# KiCad board !HDMI2USB.kicad_pcb (continued)
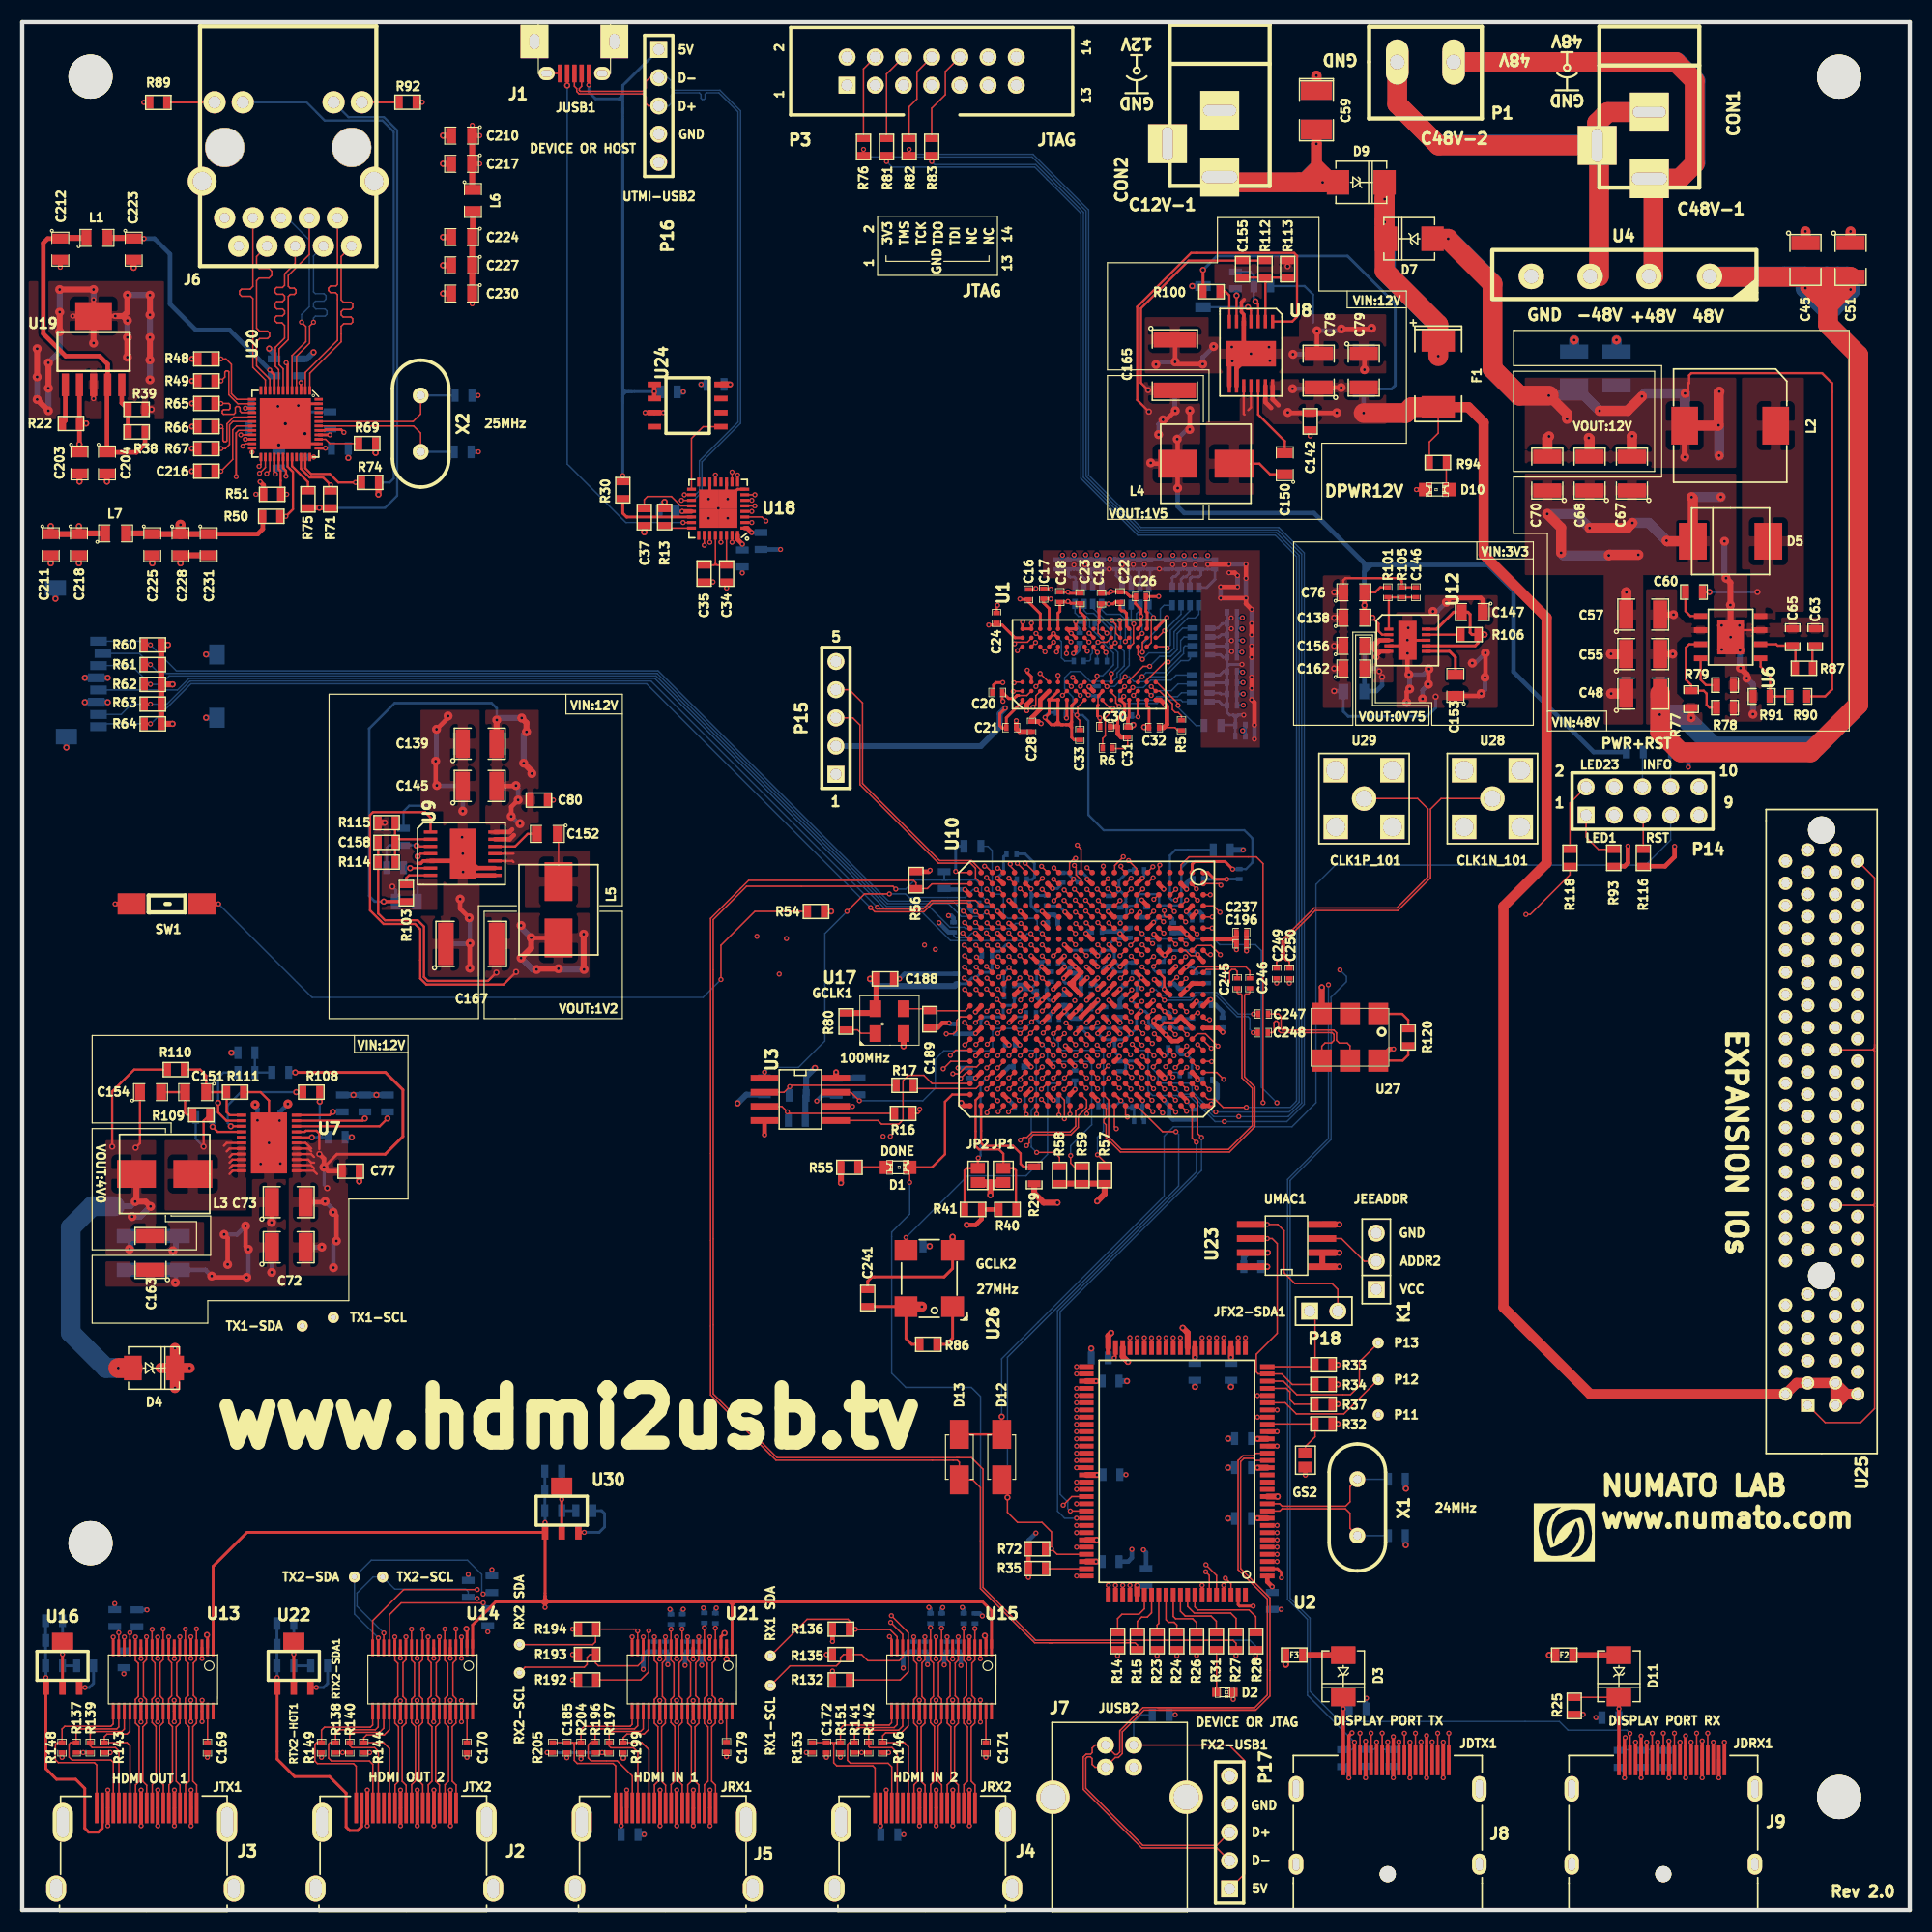
[diagram p0: board, top side]
## Routing (per net, layer and track width the routed paths; a pad name or vN(x,y) marks a point on that pad's centre or on a via; arc(x,y) is an arc through that point) (continued)
/FPGA_Bank_1_2/CY_CTL1: length 38.3
  TOP w0.127: U10.P16 v1(93.87,78.92) ; U2.55 94.96,46.32
  SIGNAL4-Y w0.127: v1(93.87,78.92) 93.39,78.44 92.67,78.44 92.37,78.14 92.37,76.65 92.13,76.4 91.7,76.4 91.31,76.01 91.31,72.76 92.06,72 92.06,64.82 91.83,64.59 91.83,48.32 93.83,46.32 v1(94.96,46.32)
/FPGA_Bank_1_2/CY_CTL2: length 38.7
  TOP w0.127: U2.56 94.96,45.67 ; 92.36,79.38 v1(91.95,78.96)
  SIGNAL4-Y w0.127: v1(91.95,78.96) 91.42,78.44 91.42,76.6 91.25,76.42 90.73,76.42 90.46,76.15 90.46,72.51 90.81,72.16 91.56,72.16 91.83,71.9 91.83,64.92 91.59,64.68 91.59,48.19 94.12,45.67 v1(94.96,45.67)
/FPGA_Bank_1_2/CY_CTL3: length 32.8
  TOP w0.127: U10.M18 v1(95.78,76) ; U2.51 94.96,48.92
  SIGNAL4-Y w0.127: v1(95.78,76) 95.78,75.41 95.39,75.02 95.39,72.46 94.88,71.94 94.88,66.31 92.75,64.19 92.75,49.29 93.12,48.92 v1(94.96,48.92) 93.91,48.92
/FPGA_Bank_1_2/CY_CTL4: length 34.5
  TOP w0.127: U2.52 94.96,48.27 ; U10.M17 v1(94.86,76.91)
  SIGNAL4-Y w0.127: v1(94.86,76.91) 94.41,76.46 93.58,76.46 93.36,76.24 93.36,72.38 92.8,71.82 92.8,64.58 92.52,64.3 92.52,48.97 93.22,48.27 v1(94.96,48.27) 94.21,48.27
/FPGA_Bank_1_2/CY_CTL5: length 52
  TOP w0.127: U2.76 v1(94.96,32.67) ; U10.R16 v1(92.86,77.91)
  SIGNAL2-Y w0.127: v1(94.96,32.66) 91.24,36.38 91.24,56.52 95.31,60.58 95.31,77.11 95.02,77.39 93.39,77.39 v1(92.86,77.91)
/FPGA_Bank_1_2/CY_FD0: length 62.3
  TOP w0.127: U2.34 v1(108.21,51.52) ; U10.C20 104.86,73.92
  SIGNAL3-X w0.127: v1(104.86,73.92) 105.29,73.48 105.29,68.18 105.81,67.67 110.76,67.67 111.3,67.13 111.3,57.49 111.46,57.34 113.17,57.34 113.32,57.18 113.32,56.95 113.15,56.78 111.46,56.78 111.3,56.62 111.3,56.35 111.48,56.18 113.18,56.18 113.33,56.03 113.33,55.74 113.16,55.57 111.42,55.57 111.3,55.45 111.3,55.23 111.43,55.11 113.19,55.11 113.33,54.96 113.33,54.72 113.18,54.57 108.79,54.57 108.63,54.41 108.63,54.17 108.79,54.02 113.16,54.02 113.34,53.84 113.34,53.6 113.17,53.44 108.4,53.44 108.24,53.28 108.24,52.99 108.4,52.83 113.16,52.83 113.34,52.66 113.34,52.32 113.17,52.16 108.85,52.16 v1(108.21,51.52)
/FPGA_Bank_1_2/CY_FD1: length 62.3
  TOP w0.127: U2.35 v1(107.56,51.52) ; U10.C22 v1(104.86,71.92)
  SIGNAL3-X w0.127: v1(104.86,71.92) 104.86,68.29 105.71,67.44 110.66,67.44 111.07,67.03 111.07,61.41 110.86,61.2 108.96,61.2 108.79,61.03 108.79,60.74 108.94,60.58 110.9,60.58 111.06,60.42 111.06,60.15 110.91,60 107.68,60 107.56,59.89 107.56,59.68 107.69,59.56 110.88,59.56 111.05,59.39 111.05,59.17 110.9,59.02 107.73,59.02 107.56,58.85 107.56,58.63 107.71,58.48 110.85,58.48 111.05,58.28 111.05,58.06 110.87,57.88 107.77,57.88 107.56,57.67 107.56,57.44 107.76,57.24 110.86,57.24 111.04,57.06 111.04,56.82 110.87,56.64 107.77,56.64 107.56,56.44 107.56,56.22 107.77,56.01 110.85,56.01 111.04,55.81 111.04,55.54 110.87,55.37 107.79,55.37 107.56,55.15 107.56,54.92 107.79,54.7 108.21,54.7 108.38,54.53 108.38,54.31 108.2,54.13 107.78,54.13 107.56,53.91 v1(107.56,51.52)
/FPGA_Bank_1_2/CY_FD2: length 62.3
  TOP w0.127: U10.L15 96.85,79.9 ; U2.36 v1(106.91,51.52)
  SIGNAL3-X w0.127: v1(106.91,51.52) 106.91,60.4 107.1,60.58 108.31,60.58 108.45,60.72 108.45,61.05 108.3,61.2 107.11,61.2 106.91,61.4 106.91,61.64 107.12,61.85 110.66,61.85 110.81,62 110.81,62.23 110.65,62.39 107.11,62.39 106.91,62.58 106.91,62.8 107.1,62.99 110.64,62.99 110.81,63.16 110.81,63.42 110.63,63.6 107.41,63.6 107.26,63.75 107.26,63.94 107.42,64.1 110.61,64.1 110.84,64.33 110.84,66.89 110.53,67.21 105.62,67.21 104.43,68.39 104.43,75.12 104.11,75.44 101.63,75.44 101.37,75.7 101.37,77.03 100.96,77.44 99.59,77.44 99.36,77.66 99.36,79.05 98.98,79.43 97.73,79.43 97.25,79.91 v1(96.85,79.91)
/FPGA_Bank_1_2/CY_FD3: length 62.3
  TOP w0.127: U10.K16 v1(97.87,78.92) ; U2.37 v1(106.26,51.52)
  SIGNAL3-X w0.127: v1(97.87,78.92) 98.17,78.92 98.35,78.74 98.35,76.7 98.6,76.44 100.12,76.44 100.38,76.19 100.38,75.78 100.73,75.43 101.03,75.43 101.35,75.11 101.35,74.76 101.64,74.48 102.98,74.48 103.33,74.13 103.33,69.16 105.52,66.98 110.43,66.98 110.56,66.85 110.56,66.64 110.43,66.52 106.19,66.52 106.06,66.39 106.06,66.2 106.19,66.07 110.47,66.07 110.61,65.93 110.61,65.7 110.47,65.57 106.22,65.57 106.07,65.41 106.07,65.23 106.22,65.08 110.49,65.08 110.61,64.96 110.61,64.77 110.48,64.64 106.24,64.64 106.07,64.47 106.07,64.28 106.24,64.11 106.86,64.11 106.96,64.01 106.96,63.74 106.85,63.63 106.41,63.63 106.26,63.48 v1(106.26,51.52)
/FPGA_Bank_1_2/CY_FD4: length 62.3
  TOP w0.127: U2.44 101.71,51.51 ; U10.D21 103.86,72.92
  SIGNAL1-X w0.127: 104.38,72.4 104.38,71.45 ; 104.38,72.4 104.38,71.11 105.04,70.44 106.63,70.44 107.21,69.87 107.21,57.32 107.08,57.19 106.69,57.19 106.58,57.07 106.58,56.91 106.69,56.8 107.13,56.8 107.26,56.67 107.26,56.45 107.12,56.31 102.3,56.31 102.15,56.16 102.15,55.95 102.3,55.81 107.14,55.81 107.27,55.67 107.27,55.44 107.12,55.3 102.27,55.3 102.14,55.17 102.14,54.99 102.28,54.85 107.12,54.85 107.27,54.7 107.27,54.5 107.12,54.35 102.26,54.35 102.12,54.21 102.12,54.04 102.26,53.9 107.12,53.9 107.27,53.75 107.27,53.55 107.12,53.39 102.06,53.39 101.71,53.04 v1(101.71,51.52) ; 104.38,72.4 v1(103.86,72.92)
/FPGA_Bank_1_2/CY_FD5: length 62.3
  TOP w0.127: U2.45 101.06,51.51
  TOP w0.203: 103.37,72.36 v1(103.89,71.84)
  SIGNAL1-X w0.127: v1(101.06,51.52) 101.06,55.44 102.15,56.54 104.88,56.54 105.02,56.68 105.02,56.87 104.88,57.01 102.33,57.01 102.19,57.15 102.19,57.37 102.35,57.52 106.82,57.52 106.98,57.67 106.98,57.87 106.82,58.03 102.32,58.03 102.19,58.16 102.19,58.37 102.32,58.5 106.84,58.5 106.98,58.63 106.98,58.88 106.85,59 102.36,59 102.22,59.14 102.22,59.42 102.36,59.56 106.83,59.56 106.98,59.71 106.98,59.92 106.83,60.06 102.42,60.06 102.29,60.2 102.29,60.38 102.42,60.51 106.86,60.51 106.98,60.63 106.98,69.77 106.54,70.21 104.82,70.21 104.14,70.9 104.14,71.59 v1(103.89,71.84)
/FPGA_Bank_1_2/CY_FD6: length 62.3
  TOP w0.127: U2.46 100.41,51.51 ; 100.38,75.41 v1(100.85,74.94)
  SIGNAL1-X w0.127: v1(100.85,74.94) 101.37,74.42 103.01,74.42 103.32,74.1 103.32,68.95 103.71,68.56 106.46,68.56 106.75,68.28 106.75,65 106.6,64.85 105.52,64.85 105.35,64.68 105.35,64.49 105.51,64.33 106.55,64.33 106.69,64.19 106.69,63.93 106.55,63.78 102.54,63.78 102.4,63.65 102.4,63.45 102.55,63.3 106.57,63.3 106.7,63.17 106.7,62.89 106.57,62.75 102.55,62.75 102.4,62.6 102.4,62.39 102.55,62.24 106.55,62.24 106.68,62.12 106.68,61.88 106.57,61.77 102.52,61.77 102.37,61.62 102.37,61.4 102.52,61.25 106.55,61.25 106.67,61.13 106.67,60.9 106.54,60.76 102.19,60.76 101.75,60.32 101.75,56.86 100.41,55.52 v1(100.41,51.52)
/FPGA_Bank_1_2/CY_FD7: length 62.4
  TOP w0.127: v1(101.89,73.94) 101.42,74.41 U10.F20 ; U2.47 99.76,51.52
  SIGNAL1-X w0.127: v1(99.76,51.53) 99.76,55.55 101.35,57.15 101.35,60.35 102.07,61.07 102.07,63.84 102.38,64.15 103.16,64.15 103.32,64.31 103.32,64.55 103.17,64.7 101.87,64.7 101.71,64.86 101.71,65.05 101.87,65.22 106.35,65.22 106.5,65.37 106.5,65.58 106.35,65.72 101.88,65.72 101.7,65.91 101.7,66.13 101.87,66.3 106.36,66.3 106.51,66.46 106.51,66.72 106.37,66.86 101.83,66.86 101.67,67.02 101.67,67.29 101.83,67.45 106.36,67.45 106.51,67.6 106.51,67.85 106.37,67.99 101.79,67.99 101.63,68.15 101.63,68.33 101.79,68.48 102.96,68.48 103.09,68.62 103.09,68.84 102.95,68.98 101.79,68.98 101.67,69.11 101.67,69.31 101.81,69.45 102.94,69.45 103.09,69.6 103.09,69.82 102.95,69.96 101.83,69.96 101.67,70.11 101.67,70.36 101.83,70.52 102.95,70.52 103.09,70.65 103.09,70.96 102.95,71.11 102.44,71.11 102.28,71.26 102.28,73.55 v1(101.89,73.94)
/FPGA_Bank_1_2/CY_FD8: length 62.3
  TOP w0.127: 99.36,76.4 v1(99.87,75.89) ; U2.80 94.96,30.07
  SIGNAL3-X w0.127: v1(99.87,75.89) 99.87,75.48 99.42,75.03 99.42,72.3 101.62,70.1 101.62,65.79 102.57,64.84 102.57,59.84 102.95,59.46 104.88,59.46 105.01,59.33 105.01,59.07 104.88,58.94 102.71,58.94 102.57,58.8 102.57,58.6 102.71,58.46 104.88,58.46 105.01,58.33 105.01,58.11 104.89,57.99 104.42,57.99 104.32,57.88 104.32,57.68 104.42,57.57 104.89,57.57 105.01,57.45 105.01,50.93 97.94,43.86 97.94,30.64 97.37,30.07 v1(94.96,30.07)
/FPGA_Bank_1_2/CY_FD9: length 62.4
  TOP w0.127: v1(99.92,74.96) 99.47,75.41 U10.H19 ; U2.81 v1(97.81,29.22)
  SIGNAL3-X w0.127: v1(99.92,74.96) 100.39,74.49 100.39,71.65 101.85,70.2 101.85,65.89 102.8,64.94 102.8,62.41 103.2,62.01 105.06,62.01 105.24,61.83 105.24,61.56 105.07,61.38 103.05,61.38 102.91,61.25 102.91,60.95 103.05,60.82 105.12,60.82 105.24,60.69 105.24,60.38 105.11,60.25 103.03,60.25 102.91,60.12 102.91,59.86 103.05,59.72 105.08,59.72 105.24,59.56 105.24,50.83 98.18,43.77 98.18,29.58 v1(97.81,29.22)
/FPGA_Bank_1_2/CY_FD10: length 62.4
  TOP w0.127: v1(101.75,72.91) 101.36,73.29 101.36,73.42 ; U2.82 98.46,29.22
  SIGNAL3-X w0.127: v1(101.75,72.91) 101.75,72.41 101.39,72.05 101.39,71.51 102.08,70.83 102.08,67.95 102.34,67.69 103.21,67.69 103.35,67.55 103.35,67.38 103.22,67.25 102.34,67.25 102.2,67.11 102.2,66.9 102.35,66.75 104.48,66.75 104.6,66.63 104.6,66.45 104.5,66.34 102.32,66.34 102.2,66.22 102.2,65.98 102.32,65.86 105.25,65.86 105.4,65.72 105.4,65.53 105.26,65.39 103.32,65.39 103.03,65.11 103.03,62.51 103.28,62.26 105.14,62.26 105.47,61.92 105.47,50.74 98.46,43.73 v1(98.46,29.22)
/FPGA_Bank_1_2/CY_FD11: length 62.3
  TOP w0.127: U10.F22 101.36,72.34 101.82,71.88 ; U2.83 v1(99.11,29.22)
  SIGNAL3-X w0.127: v1(99.11,29.22) 98.69,29.64 98.69,43.63 105.7,50.64 105.7,62.18 105.4,62.49 103.41,62.49 103.28,62.62 103.28,62.93 103.41,63.05 105.56,63.05 105.7,63.19 105.7,63.45 105.57,63.59 103.42,63.59 103.29,63.73 103.29,63.99 103.41,64.11 105.55,64.11 105.7,64.26 105.7,64.47 105.54,64.63 103.4,64.63 103.28,64.75 103.28,65.02 103.41,65.15 105.42,65.15 105.7,65.43 105.7,66.12 102.31,69.51 102.31,71.38 v1(101.82,71.87)
/FPGA_Bank_1_2/CY_FD12: length 62.3
  TOP w0.127: v1(106.59,30.44) 106.91,30.12 U2.95 ; 102.39,74.41 v1(102.89,73.92)
  SIGNAL2-Y w0.127: v1(102.89,73.92) 103.33,73.47 103.33,72.63 103.08,72.38 102.6,72.38 102.28,72.07 102.28,62.95 98.78,59.45 98.78,31.77 98.66,31.65 98.5,31.65 98.38,31.77 98.38,33.99 98.26,34.11 98.07,34.11 97.95,33.99 97.95,31.48 98.79,30.64 105.96,30.64 106.16,30.44 v1(106.59,30.44)
/FPGA_Bank_1_2/CY_FD13: length 62.3
  TOP w0.127: v1(106.61,31.07) 107.56,30.12 U2.96 ; v1(102.7,71.77) 102.36,72.11 U10.E22
  SIGNAL2-Y w0.127: v1(106.61,31.07) 106.17,31.07 105.97,30.87 99.09,30.87 98.98,30.99 98.98,31.2 99.11,31.33 103.2,31.33 103.37,31.5 103.37,31.7 103.18,31.89 99.22,31.89 99.01,32.09 99.01,59.36 102.7,63.05 v1(102.7,71.77)
/FPGA_Bank_1_2/CY_FD14: length 62.3
  TOP w0.127: v1(98.77,74.92) 98.77,75.01 U10.J19 ; U2.97 108.21,29.22
  SIGNAL2-Y w0.127: v1(108.21,29.22) 107.79,29.64 97.19,29.64 95.83,31 95.83,35.06 92.78,38.12 92.78,56.12 97.9,61.24 97.9,73.73 98.77,74.6 v1(98.77,74.92)
/FPGA_Bank_1_2/CY_FD15: length 62.3
  TOP w0.127: v1(108.36,29.86) 108.86,29.36 U2.98 ; U10.H20 99.85,73.93
  SIGNAL2-Y w0.127: 108.35,29.87 97.29,29.87 96.07,31.09 96.07,36.09 93.51,38.65 93.51,55.83 100.58,62.9 100.58,71.99 100.3,72.27 100.3,73.48 v1(99.85,73.92)
/FPGA_Bank_1_2/CY_INT5: length 57.1
  TOP w0.127: U10.T19 v1(91.86,75.91) ; U2.84 v1(99.76,29.22)
  SIGNAL2-Y w0.127: 92.2,75.91 v1(91.86,75.91) 92.2,75.91 ; 92.2,75.91 92.43,75.68 92.43,58.16 90.88,56.61 90.88,33.01 95.25,28.64 99.63,28.64 99.76,28.77 v1(99.76,29.22)
/FPGA_Bank_1_2/CY_PA0: length 44.8
  TOP w0.127: 101.34,76.42 v1(100.89,76.86) ; U2.67 94.96,38.52
  SIGNAL2-Y w0.127: v1(94.96,38.52) 93.99,39.49 93.99,55.66 101.04,62.71 101.04,71.77 101.66,72.39 102.02,72.39 102.38,72.75 102.38,75.1 102.08,75.4 101.66,75.4 101.37,75.69 101.37,76.38 v1(100.89,76.86)
/FPGA_Bank_1_2/CY_PA1: length 42.5
  TOP w0.127: U2.68 94.96,37.87
  TOP w0.203: 101.36,75.41 v1(101.85,74.92)
  SIGNAL2-Y w0.127: 93.76,55.75 93.76,39.07 v1(94.96,37.87) ; 93.76,55.75 100.81,62.81 100.81,71.88 101.35,72.43 101.35,74.08 101.85,74.58 v1(101.85,74.92)
/FPGA_Bank_1_2/CY_PA2: length 48.1
  TOP w0.127: v1(98.89,77.88) 99.29,78.29 ; v1(93.75,36.44) 94.53,37.22 U2.69
  SIGNAL2-Y w0.127: v1(93.75,36.44) 93.27,36.44 92.55,37.17 92.55,56.25 97.67,61.37 97.67,73.89 98.27,74.49 98.27,75.39 99.24,76.36 99.24,77.11 98.89,77.47 v1(98.89,77.88)
/FPGA_Bank_1_2/CY_PA3: length 46.2
  TOP w0.127: 99.39,77.42 v1(99.82,77) ; U2.70 94.96,36.57
  SIGNAL2-Y w0.127: v1(99.82,77) 99.82,76.41 99.38,75.97 99.38,72.8 100.35,71.83 100.35,63.22 93.19,56.06 93.19,38.34 v1(94.96,36.57)
/FPGA_Bank_1_2/CY_PA4: length 45
  TOP w0.127: U10.B21 105.86,72.92 105.86,69.91 v1(106.21,69.56) ; U2.71 94.39,35.92
  BOTTOM w0.127: v1(106.21,69.56) 106.21,66.59 93.47,53.85 93.47,37.42 94.16,36.74 94.16,36.14 v1(94.39,35.92)
/FPGA_Bank_1_2/CY_PA5: length 44.7
  TOP w0.127: v1(105.75,69.13) 105.36,69.51 U10.B22 ; v1(94.96,35.27) U2.72
  BOTTOM w0.127: 105.75,66.45 93.24,53.95 93.24,35.9 93.88,35.27 v1(94.96,35.27) ; v1(105.75,69.13) 105.75,66.45
/FPGA_Bank_1_2/CY_PA6: length 49.2
  TOP w0.127: U10.J16 97.86,77.91 ; U2.73 94.96,34.62
  SIGNAL2-Y w0.127: v1(94.96,34.62) 94.15,34.62 92.32,36.45 92.32,56.34 95.77,59.8 95.77,69.06 97.37,70.66 97.37,75 98.38,76.02 98.38,76.95 97.86,77.48 v1(97.86,77.9)
/FPGA_Bank_1_2/CY_PA7: length 48.8
  TOP w0.127: 98.36,77.42 v1(97.86,76.92) ; U2.74 94.96,33.97
  SIGNAL2-Y w0.127: v1(97.86,76.92) 97.36,76.42 96.7,76.42 96.35,76.08 96.35,70 95.54,69.18 95.54,59.89 92.08,56.44 92.08,36.35 94.47,33.97 v1(94.96,33.97)
/FPGA_Bank_1_2/CY_PC0: length 32.9
  TOP w0.127: 90.37,74.38 v1(89.87,73.89) ; U2.57 94.96,45.02
  SIGNAL4-Y w0.127: v1(89.87,73.89) 89.87,73.4 90.21,73.06 90.21,72.43 90.95,71.69 90.95,65.47 91.36,65.06 91.36,48.1 94.44,45.02 v1(94.96,45.02)
/FPGA_Bank_1_2/CY_PC1: length 31.9
  TOP w0.127: v1(90.43,71.63) 90.37,71.69 U10.U22 ; U2.58 94.96,44.37
  SIGNAL4-Y w0.127: v1(90.43,71.63) 89.41,70.61 89.41,66.69 91.13,64.96 91.13,47.8 94.56,44.37 v1(94.96,44.37)
/FPGA_Bank_1_2/CY_PC2: length 33.9
  TOP w0.127: U2.59 94.96,43.72 ; 89.36,73.42 89.36,73.33 v1(89.8,72.9)
  SIGNAL4-Y w0.127: v1(89.8,72.9) 89.8,71.93 89.17,71.31 89.17,66.59 90.9,64.87 90.9,47.01 94.19,43.72 v1(94.96,43.72)
/FPGA_Bank_1_2/CY_PC3: length 33.7
  TOP w0.127: U2.60 94.96,43.07 ; 89.36,72.38 v1(88.83,71.85)
  SIGNAL4-Y w0.127: 90.67,52.13 90.67,46.51 94.1,43.07 v1(94.96,43.07) ; 90.67,52.13 90.67,52.14 ; 90.67,52.13 90.67,64.77 88.55,66.89 88.55,71.57 v1(88.83,71.85)
/FPGA_Bank_1_2/CY_PC4: length 36.6
  TOP w0.127: U2.61 94.96,42.42 ; U10.W20 87.88,73.93 v1(87.88,73.91)
  SIGNAL4-Y w0.127: v1(87.88,73.91) 87.88,73.43 88.32,72.99 88.32,66.8 90.43,64.68 90.43,45.95 93.97,42.42 v1(94.96,42.42)
/FPGA_Bank_1_2/CY_PC5: length 35.6
  TOP w0.127: U2.62 94.96,41.77 ; v1(87.9,71.87) 88.36,72.33 U10.W22
  SIGNAL4-Y w0.127: v1(87.9,71.87) 87.63,71.6 87.63,67.15 90.2,64.58 90.2,45.33 93.77,41.77 v1(94.96,41.77)
/FPGA_Bank_1_2/CY_PC6: length 37.6
  TOP w0.127: U2.63 94.96,41.12 ; v1(87.86,72.86) 87.37,73.36 87.37,73.42
  SIGNAL4-Y w0.127: v1(87.86,72.86) 87.4,72.41 87.4,67.06 89.97,64.49 89.97,44.55 93.41,41.12 v1(94.96,41.12)
/FPGA_Bank_1_2/CY_PC7: length 37.2
  TOP w0.127: U10.Y22 86.89,71.93 v1(86.89,71.78) ; U2.64 94.96,40.47
  SIGNAL4-Y w0.127: v1(86.89,71.78) 86.89,67.24 89.74,64.39 89.74,44.28 93.56,40.47 v1(94.96,40.47)
/FPGA_Bank_1_2/CY_RD: length 42.5
  TOP w0.127: v1(97.81,76.01) 97.36,75.56 U10.K19 ; U2.31 v1(110.16,51.52)
  SIGNAL4-Y w0.127: v1(97.81,76.01) 97.36,75.56 97.36,65.25 95.03,62.92 95.03,54.31 99.07,50.26 103.48,50.26 104.01,50.79 108.69,50.79 109.08,51.18 109.08,51.71 109.3,51.93 109.75,51.93 v1(110.16,51.52)
/FPGA_Bank_1_2/CY_RD0: length 86.5
  TOP w0.127: U2.3 113.01,31.37 ; U10.P19 v1(92.86,74.92)
  SIGNAL2-Y w0.127: v1(92.86,74.92) 93.41,75.46 93.41,76.24 93.19,76.45 90.38,76.45 89.36,75.44 88.61,75.44 88.34,75.17 88.34,68.28 89.96,66.66 89.96,32.62 94.86,27.72 109.89,27.72 112.1,29.93 112.1,30.1 111.99,30.21 110.53,30.21 110.43,30.31 110.43,30.46 110.54,30.57 112.39,30.57 112.51,30.69 112.51,30.85 112.38,30.98 110.54,30.98 110.43,31.09 110.43,31.25 110.54,31.36 v1(113.01,31.36)
/FPGA_Bank_1_2/CY_RD1: length 86.5
  TOP w0.127: 92.36,75.4 v1(91.87,74.9) ; U2.4 113.02,32.02
  SIGNAL2-Y w0.127: 110.19,28.34 110.19,28.35 ; 110.19,28.34 109.79,27.95 94.96,27.95 90.19,32.72 90.19,66.76 89.31,67.64 89.31,69.88 89.15,70.05 88.7,70.05 88.57,70.17 88.57,70.33 88.7,70.46 89.13,70.46 89.31,70.65 89.31,74.84 89.93,75.45 90.94,75.45 91.49,74.9 v1(91.87,74.9) ; 110.19,28.34 110.19,29.38 110.32,29.52 111.33,29.52 111.45,29.64 111.45,29.81 111.33,29.94 110.32,29.94 110.19,30.08 110.19,31.28 110.04,31.42 109.82,31.42 109.69,31.29 109.69,28.6 109.54,28.46 109.37,28.46 109.24,28.59 109.24,31.82 109.43,32.01 v1(113.02,32.01)
/FPGA_Bank_1_2/CY_RD2: length 86.6
  TOP w0.127: U10.M16 v1(95.86,77.92) ; U2.5 113.01,32.67
  SIGNAL2-Y w0.127: v1(95.86,77.92) 95.33,78.45 92.7,78.45 92.36,78.12 92.36,77.73 92.01,77.38 90.56,77.38 90.31,77.14 90.31,76.77 89.28,75.74 88.56,75.74 88.23,75.4 87.64,75.4 87.38,75.14 87.38,70.83 87.51,70.7 87.86,70.7 87.98,70.58 87.98,70.42 87.87,70.3 87.52,70.3 87.38,70.16 87.38,69.97 87.52,69.83 87.79,69.83 87.93,69.69 87.93,69.48 87.81,69.36 87.52,69.36 87.38,69.22 87.38,68.92 89.73,66.57 89.73,32.52 94.76,27.49 109.98,27.49 113.49,30.99 113.49,32.19 v1(113.01,32.66)
/FPGA_Bank_1_2/CY_RD3: length 86.5
  TOP w0.127: 94.36,79.52 v1(94.01,79.88) ; U2.6 v1(113.02,33.32)
  SIGNAL2-Y w0.127: v1(94.01,79.88) 92.59,79.88 92.18,79.46 91.71,79.46 91.36,79.11 91.36,78.56 91.15,78.35 90.68,78.35 90.31,77.98 90.31,77.66 90.08,77.43 89.69,77.43 89.38,77.12 89.38,76.77 88.84,76.23 87.6,76.23 87.32,75.95 87.32,75.58 87.09,75.35 86.61,75.35 86.38,75.13 86.38,69.59 89.5,66.47 89.5,32.42 94.66,27.25 110.09,27.25 113.72,30.88 113.72,32.61 v1(113.02,33.32)
/FPGA_Bank_1_2/CY_RD4: length 86.6
  TOP w0.127: v1(89.89,74.79) 89.89,74.94 U10.U19 ; U2.7 v1(113.02,33.97)
  SIGNAL2-Y w0.127: v1(113.02,33.97) 109.14,33.97 109.01,33.84 109.01,33.67 109.14,33.54 112.11,33.54 112.22,33.42 112.22,33.22 112.12,33.12 109.14,33.12 109,32.99 109,32.8 109.13,32.67 112.07,32.67 112.2,32.55 112.2,32.36 112.1,32.26 109.16,32.26 109,32.11 109,28.48 108.71,28.18 95.05,28.18 90.42,32.81 90.42,56.82 90.89,57.28 90.89,72.04 90.34,72.59 90.34,73.99 89.89,74.44 v1(89.89,74.79)
/FPGA_Bank_1_2/CY_RD5: length 86.6
  TOP w0.127: U10.T20 v1(90.86,74.91) ; U2.8 v1(113.02,34.62)
  SIGNAL2-Y w0.127: v1(113.02,34.62) 106.88,34.62 106.75,34.48 106.75,34.28 106.86,34.16 108.62,34.16 108.77,34.01 108.77,33.82 108.63,33.68 106.82,33.68 106.69,33.54 106.69,33.35 106.82,33.21 108.62,33.21 108.77,33.06 108.77,32.81 108.62,32.66 106.8,32.66 106.69,32.55 106.69,32.34 106.81,32.22 108.63,32.22 108.77,32.08 108.77,28.68 108.51,28.41 95.16,28.41 90.65,32.92 90.65,56.72 92.19,58.26 92.19,71.84 91.37,72.66 91.37,74.41 v1(90.86,74.92)
/FPGA_Bank_1_2/CY_RXD0: length 42
  TOP w0.127: U10.P17 v1(93.86,76.92) ; U2.43 102.36,51.51
  SIGNAL4-Y w0.127: 102.19,50.76 102.36,50.93 v1(102.36,51.52) ; 99.15,70.46 98.3,71.31 98.3,74.08 98.67,74.46 98.96,74.46 99.18,74.68 99.18,75.86 98.28,76.75 98.28,77.07 97.93,77.41 94.77,77.41 94.28,76.92 v1(93.86,76.92) ; 99.15,70.46 99.15,53.92 99.38,53.69 101.48,53.69 101.62,53.55 101.62,53.32 101.49,53.19 99.36,53.19 99.15,52.98 99.15,51.3 99.69,50.76 102.18,50.76
/FPGA_Bank_1_2/CY_RXD1: length 42
  TOP w0.127: U2.41 103.66,51.51 ; U10.P18 93.77,76.01
  SIGNAL4-Y w0.127: v1(93.82,76.01) 94.25,75.58 95.11,75.58 95.36,75.83 95.36,76.18 95.62,76.44 98.07,76.44 98.34,76.17 98.34,74.49 98.05,74.21 98.05,69.89 98.92,69.02 98.92,54.93 98.75,54.76 96.86,54.76 96.73,54.64 96.73,54.43 96.85,54.31 98.71,54.31 98.92,54.11 98.92,51.2 99.59,50.53 103.24,50.53 103.66,50.95 v1(103.66,51.52)
/FPGA_Bank_1_2/CY_T0: length 45.4
  TOP w0.127: U2.23 111.26,44.37 ; U10.G20 100.4,74.41 v1(100.87,73.95)
  SIGNAL1-X w0.127: v1(111.26,44.37) 112.12,44.37 112.37,44.62 112.37,49.58 111.22,50.73 99.76,50.73 99.33,51.15 99.33,55.64 100.95,57.25 100.95,61.02 101.35,61.43 ; 101.27,61.35 101.31,61.38 ; 101.31,61.38 101.35,61.42 ; 101.31,61.38 101.35,61.43 ; 101.35,61.43 101.35,73.46 v1(100.87,73.95)
/FPGA_Bank_1_2/CY_TXD0: length 41.9
  TOP w0.127: U2.42 103.01,51.51 ; U10.R17 v1(92.87,76.91)
  SIGNAL4-Y w0.127: v1(92.87,76.91) 92.97,76.91 93.13,77.07 93.13,77.58 93.97,78.42 98.03,78.42 98.35,78.11 98.35,77.59 98.61,77.33 99.19,77.33 99.41,77.12 99.41,72.58 100.14,71.85 100.14,55.75 102.81,53.08 102.81,52.9 102.68,52.77 100.36,52.77 100.23,52.63 100.23,52.42 100.36,52.29 102.85,52.29 103.01,52.13 v1(103.01,51.52)
/FPGA_Bank_1_2/CY_TXD1: length 42.1
  TOP w0.127: U10.T17 v1(90.86,76.92) ; U2.40 104.31,51.51
  SIGNAL4-Y w0.127: 104.31,51.91 100.37,55.85 100.37,77.24 100.09,77.52 99.74,77.52 99.4,77.86 99.4,78.1 99.12,78.38 98.55,78.38 98.35,78.58 98.35,79.05 98.02,79.38 91.79,79.38 91.19,78.79 91.19,77.24 v1(90.86,76.92) ; 104.31,51.91 v1(104.31,51.52) 104.31,51.91
/FPGA_Bank_1_2/CY_WR: length 41.5
  TOP w0.127: U10.K18 v1(96.93,75.98) ; U2.32 109.51,51.52
  SIGNAL4-Y w0.127: 109.24,50.72 109.25,50.73 ; 109.25,50.73 109.51,51 v1(109.51,51.52) ; 109.25,50.73 109.08,50.56 104.12,50.56 103.59,50.03 98.98,50.03 94.8,54.22 94.8,63.03 96.29,64.52 96.29,75.35 v1(96.93,75.98)
/FPGA_Bank_1_2/CYPRESS-RESET: length 58.8
  TOP w0.127: U10.G22 102.7,70.08 v1(103.9,70.08) ; v1(92.7,32.51) R72.1 ; v1(92.7,32.51) 93.2,32.02 U2.77 ; v1(92.7,32.51) 92.7,34.03 91.84,34.89 89.64,34.89 88.73,35.79 v3(88.73,37.14) 88.73,38.2 88.21,38.72 88.21,37.66
  BOTTOM w0.127: R72.1 v1(92.7,32.51) ; v1(103.9,70.08) 104.15,69.83 104.15,65.19 88.73,49.77 v3(88.73,37.14)
/FPGA_Bank_1_2/DPRXHPD: length 135.8
  TOP w0.127: U10.W11 v1(88.87,83.92) ; J9.18 v1(144.8,15.88)
  SIGNAL1-X w0.127: 118.67,84.65 106.02,84.65 105.3,85.37 101.64,85.37 101.37,85.1 101.37,84.78 101.03,84.44 93.29,84.44 92.33,85.4 89.79,85.4 89.31,84.92 89.31,84.36 v1(88.87,83.92)
  BOTTOM w0.127: v1(118.67,84.65) 119.26,84.06 119.26,83.58 117.87,82.2 117.87,69.37 114.2,65.69 114.2,28.05 115.98,26.27 115.98,19.66 118.69,16.96 138.43,16.96 139.22,16.17 144.52,16.17 144.81,15.89 144.81,14.55 144.66,14.41 143.91,14.41
/FPGA_Bank_1_2/DPTXHPD: length 105.7
  TOP w0.127: v1(89.85,83.92) 89.36,83.44 ; J8.18 119.98,15.1
  SIGNAL1-X w0.127: v1(117.64,83.31) 117.64,83.94 117.18,84.41 101.95,84.41 100.98,83.45 93.38,83.45 92.42,84.41 90.34,84.41 v1(89.85,83.92)
  BOTTOM w0.127: R44.1 119.75,14.41 119.98,14.65 v1(119.98,15.1) 115.75,19.33 115.75,26.16 113.96,27.95 113.96,65.78 117.64,69.46 v1(117.64,83.31)
/FPGA_Bank_1_2/FPGA_M0_CMP_MISO: length 13.7
  TOP w0.203: U10.AA21 85.86,72.92 85.86,68.79 86.17,68.49 87.97,68.49 88.36,68.1 JP1.1 89.3,66.78 89.49,66.59 R40.2
/FPGA_Bank_1_2/FPGA_M1: length 13.9
  TOP w0.203: 86.07,67.67 JP2.1 85.08,66.78 84.87,66.57 R41.1 ; U10.Y19 v1(86.86,74.92)
  BOTTOM w0.203: v1(86.11,67.71) 86.32,67.92 86.32,74.37 v1(86.86,74.92)
/FPGA_Bank_1_2/INIT_B: length 136.4
  TOP w0.127: 87.32,90.42 v1(86.88,90.86) ; v1(78.68,91.93) 78.42,92.18 65.23,92.18 62.23,89.18 62.23,46.47 67.98,40.72 85.49,40.72 86.53,39.68 86.53,29.03 91.28,24.28 109.05,24.28 109.32,24.01 R27.2 109.32,22.9
  BOTTOM w0.127: 86.86,90.86 86.41,91.32 86.41,92.24 85.91,92.73 83.18,92.73 ; 83.04,92.99 R52.2 83.04,93.06 ; v1(78.68,91.93) 79.57,91.93 80.37,92.73 82.91,92.73 ; 82.91,92.73 83.04,92.86 83.04,93.06 ; 82.91,92.73 83.18,92.73 ; 83.18,92.73 83.04,92.88 83.04,93.06
  vias: v1(109.32,22.89)
/FPGA_Bank_1_2/SD_CLK: length 95.1
  TOP w0.127: 91.33,87.42 v1(90.84,87.91)
  BOTTOM w0.127: v1(90.84,87.91) 90.49,87.91 89.88,87.29 83.6,87.29 80.75,90.14 77.74,90.14 56.98,110.89 15.02,110.89 13.98,109.86 U11.5
/FPGA_Bank_1_2/SD_CMD: length 94.8
  TOP w0.127: v1(11.54,110.37) R62.1 ; U10.U6 89.95,88.83
  BOTTOM w0.127: v1(89.94,88.83) 89.46,88.83 89.01,88.37 84.96,88.37 84.84,88.49 83.55,88.49 81.67,90.37 77.83,90.37 57.08,111.13 13.25,111.13 12.49,110.37 v1(11.54,110.37) 9.85,112.06 U11.3
/FPGA_Bank_1_2/SD_DAT0: length 90.3
  TOP w0.127: 86.35,90.42 85.86,90.9 81.9,90.9 81.13,90.13 77.17,90.13 v1(77.01,90.29) ; R63.1 v1(11.54,108.59)
  BOTTOM w0.127: U11.7 8.92,107.66 9.85,108.59 v1(11.54,108.59) 13.04,108.59 15.11,110.66 56.64,110.66 v1(77.01,90.29)
/FPGA_Bank_1_2/SD_DAT1: length 89.6
  TOP w0.127: v1(76.4,90.25) 76.78,89.88 81.21,89.88 82,90.67 85.11,90.67 U10.AB4 ; R64.1 v1(11.54,106.81)
  BOTTOM w0.127: U11.8 7.12,106.81 v1(11.54,106.81) 11.59,106.81 15.2,110.42 56.24,110.42 v1(76.4,90.25)
/FPGA_Bank_1_2/SD_DAT2: length 89.3
  TOP w0.127: v1(84.76,89.93) 85.28,89.42 U10.AB5 ; R60.1 v1(11.54,113.92)
  BOTTOM w0.127: U11.1 11.21,114.25 v1(11.54,113.92) 13.88,111.59 57.27,111.59 78.01,90.85 83.84,90.85 v1(84.76,89.93)
/FPGA_Bank_1_2/SD_DAT3: length 90.8
  TOP w0.127: v1(86.86,89.85) 87.3,89.42 U10.Y5 ; R61.1 v1(11.54,112.14)
  BOTTOM w0.127: 86.87,89.86 86.77,89.86 86.37,89.46 84.57,89.46 83.41,90.62 77.92,90.62 57.18,111.36 12.33,111.36 v1(11.54,112.14) 10.53,113.15 U11.2
/FPGA_Bank_1_2/SPI_CLK: length 15.8
  TOP w0.127: U3.6 v1(74.78,72.35) ; U10.Y20 v1(86.87,73.92)
  SIGNAL4-Y w0.127: v1(74.78,72.35) 75.81,71.32 81.32,71.32 83.91,73.92 v1(86.87,73.92)
/FPGA_Bank_1_2/SPI_CS_N: length 33.4
  TOP w0.127: v1(85.93,91.88) 86.33,91.48 ; v1(74.28,89.92) 75.85,91.49 v1(78.1,91.49) ; U3.1 66.86,75.44